# Altium PCB JammerCon_v1.1.PcbDoc (part 1 of 2)
Units mm, origin at the board's own origin, x right, y up, seen from the top; angles counter-clockwise.
Board outline 253.36 x 28.19 mm, 2 copper layers (Top Layer, Bottom Layer), stack 1.671 mm thick; 135 components, 65 nets, 440 pads, 735 vias.
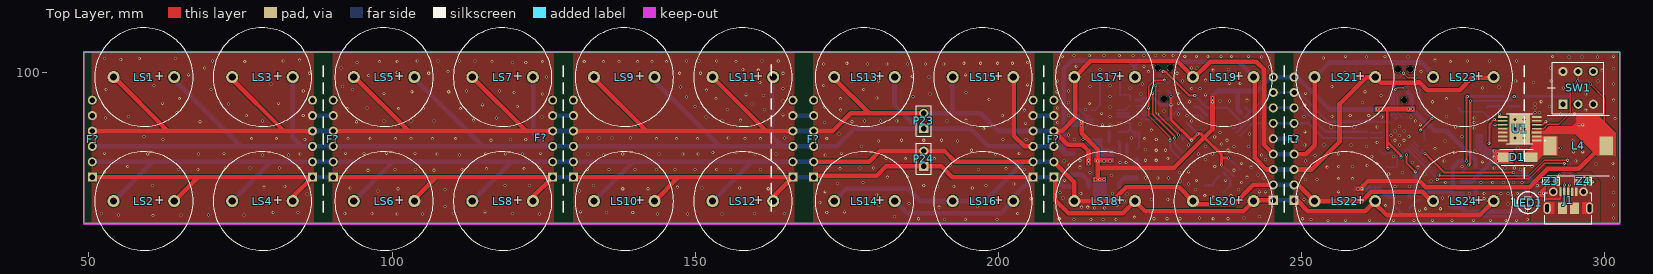
[diagram p0: Top Layer view]
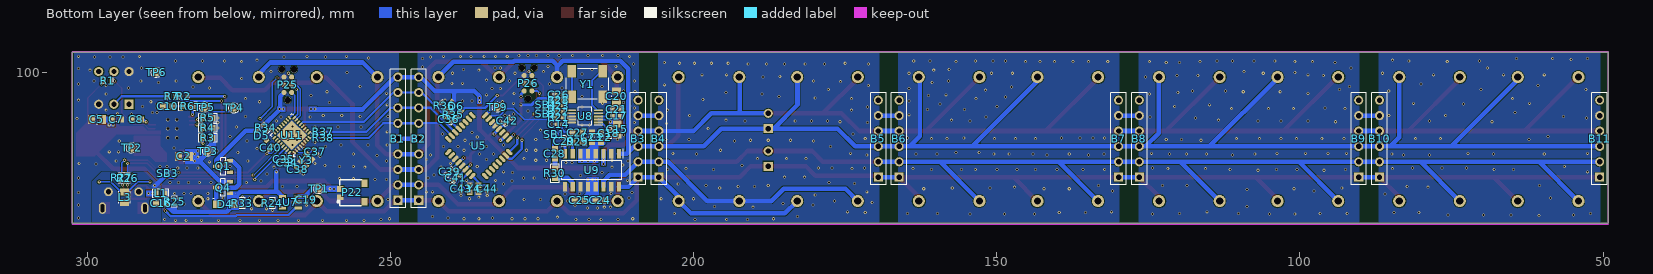
[diagram p1: Bottom Layer view, seen from below]
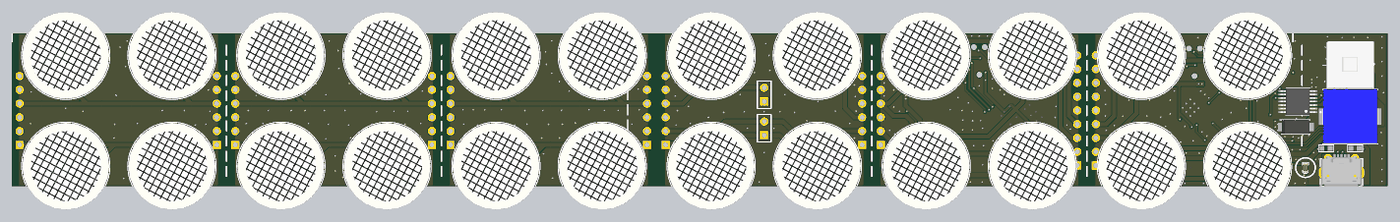
[diagram p3: 3D render of the assembled board from above, using the file's embedded part models]
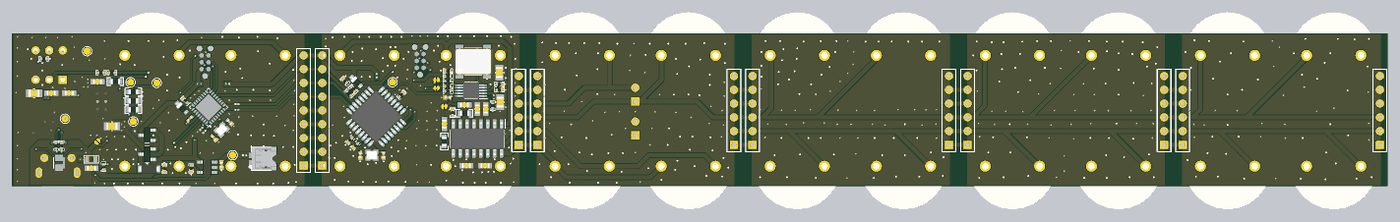
[diagram p4: 3D render of the assembled board from below, using the file's embedded part models]

## Layer stack, top to bottom
Top Solder: solder mask 0.0102, Solder Resist, Dk 3.5
Top Layer: signal copper 0.0356
Dielectric 1: dielectric 1.6, FR-4, Dk 4.8
Bottom Layer: signal copper 0.0356
Bottom Solder: solder mask 0.0102, Solder Resist, Dk 3.5

## Board outline
49.149,75.057 302.514,75.057 302.514,103.251 49.149,103.251

## Design rules (kind name [scope] priority, off if disabled: settings)
Clearance [All] p1: gap=0.152 ignorepadtopadclearanceinfootprint=TRUE except(0: Arc-Hole Track-Hole SMDPad-Hole THPad-Hole Via-Hole Fill-Hole Poly-Hole Region-Hole Text-Hole)
ComponentClearance [All] p1 off: gap=0.254 collisioncheckmode=3 verticalgap=0.254 showdistances=FALSE
MinimumSolderMaskSliver [All] p1 off: minsoldermaskwidth=0.254
PolygonConnect [All] p1: connectstyle=Direct reliefconductorwidth=0.254 reliefentries=4 polygonreliefangle="90 Angle" airgapwidth=0.254
RoutingVias [All] p1: holewidth=0.711 width=1.27 viastyle="Through Hole" minholewidth=0.711 minwidth=1.27 maxholewidth=0.711 maxwidth=1.27
SilkToBoardRegionClearance [All] p1 off:
SilkToSilkClearance [All] p1 off: silktosilkclearance=0.254
SilkToSolderMaskClearance [IsPad] p1 off: minsilkscreentomaskgap=0.254 clearancetoexposedcopper=TRUE
SolderMaskExpansion [IsVia] p1: expansion=0 soldermaskfromhole=TRUE
Width [All] p1: maxlimit=5.08 minlimit=0.152 preferedwidth=0.254 minimp=50.000000 maximp=50.000000 favimp=50.000000
25 further rules are at their usual default settings.

## Classes and differential pairs
component class JammerCon_v1.1: B1 B2 B3 B4 B5 B6 B7 B8 B9 B10 B11 C14 C15 C16 C17 C18 C19 C20 C21 C22 C23 C24 C25 C26 C27 C28 C29 C34 C35 C36 C37 C38 C39 C40 C41 C42 C43 C44 D4 D5 D6 J1 L1 L3 LED1 LS1 LS2 LS3 LS4 LS5 LS6 LS7 LS8 LS9 LS10 LS11 LS12 LS13 LS14 LS15 LS16 LS17 LS18 LS19 LS20 LS21 LS22 LS23 LS24 P22 P23 P24 P25 P26 Q1 Q4 R2 R7 R21 R22 R23 R24 R25 R26 R27 R28 R29 R30 R33 R34 R35 R36 R37 R38 SB1 SB2 SB3 SB4 SW1 TP9 U5 U7 U8 U9 U11 Y1 Y3 Y4 Z3 Z4
component class boost: C2 C5 C7 C8 C10 D1 L4 R1 R3 R4 R5 R6 TP1 TP2 TP3 TP4 TP5 TP6 U1

## Components (designator, comment, footprint, x,y, rotation, side; value= is the part's Value field where it differs from the comment)
B1 "Header 9" HDR1X9 248.793,78.867 r90 bottom
B2 "Header 9" HDR1X9 245.364,78.867 r90 bottom
B3 "Header 6" HDR1X6 209.169,82.677 r90 bottom
B4 "Header 6" HDR1X6 205.74,82.677 r90 bottom
B5 "Header 6" HDR1X6 169.545,82.677 r90 bottom
B6 "Header 6" HDR1X6 166.116,82.677 r90 bottom
B7 "Header 6" HDR1X6 129.921,82.677 r90 bottom
B8 "Header 6" HDR1X6 126.492,82.677 r90 bottom
B9 "Header 6" HDR1X6 90.297,82.677 r90 bottom
B10 "Header 6" HDR1X6 86.868,82.677 r90 bottom
B11 "Header 6" HDR1X6 50.546,82.677 r90 bottom
C2 "Cap Semi" C0805 284.099,86.106 r180 bottom value=22uF
C5 "Cap Semi" C0805 298.45,92.202 r180 bottom value=10uF
C7 "Cap Semi" C0603 295.275,92.202 r0 bottom value=100nF
C8 "Cap Semi" C0603 291.973,92.202 r180 bottom value=47nF
C10 "Cap Semi" C0603 286.766,94.361 r180 bottom value=33nF
C14 "Cap Semi" C0402 222.25,91.44 r180 bottom value=20pF
C15 "Cap Semi" C0805 212.598,90.551 r90 bottom value=10uF
C16 "Cap Semi" C0603 287.871,78.359 r180 bottom value=22uF
C17 "Cap Semi" R0402 212.725,92.837 r180 bottom value=100nF
C18 "Cap Semi" R0402 213.995,89.916 r90 bottom value=10nF
C19 "Cap Semi" C0402 263.906,78.994 r90 bottom value=10uF
C20 "Cap Semi" C0805 212.725,96.012 r270 bottom value=10uF
C21 "Cap Semi" R0402 212.725,93.853 r180 bottom value=100nF
C22 "Cap Semi" C0603 215.265,89.281 r90 bottom value=10uF
C23 "Cap Semi" C0603 216.789,89.281 r90 bottom value=1uF
C24 "Cap Semi" C0603 215.392,78.867 r180 bottom value=10uF
C25 "Cap Semi" C0603 218.821,78.867 r0 bottom value=1uF
C26 "Cap Semi" R0402 222.25,96.266 r0 bottom value=100nF
C27 "Cap Semi" C0603 219.164,90.043 r0 bottom value=220nF
C28 "Cap Semi" C0603 222.885,86.525 r90 bottom value=220nF
C29 "Cap Semi" R0402 221.361,88.646 r90 bottom value=1uF
C34 "Cap Semi" C0201 267.081,85.09 r135 bottom value=100nF
C35 "Cap Semi" C0201 267.655,85.659 r135 bottom value=100nF
C36 "Cap Semi" R0402 240.411,92.202 r45 bottom value=100nF
C37 "Cap Semi" C0402 262.409,86.895 r225 bottom value=22pF
C38 "Cap Semi" C0402 265.303,83.947 r225 bottom value=22pF
C39 "Cap Semi" R0402 240.284,83.566 r135 bottom value=100nF
C40 "Cap Semi" C0402 269.748,87.503 r135 bottom value=1uF
C41 "Cap Semi" R0402 239.268,82.55 r135 bottom value=100nF
C42 "Cap Semi" R0402 230.759,91.948 r315 bottom value=100nF
C43 "Cap Semi" C0402 238.379,80.772 r270 bottom value=22pF
C44 "Cap Semi" C0402 234.061,80.772 r270 bottom value=22pF
D1 "MBRA340T3G" MBRA340T3G 285.614,85.979 r0 top
D4 "MBR120VLSFT3G" SOD-123FL 277.241,78.232 r180 bottom
D5 "ZENER 5.6V" SOD-323 271.272,89.535 r225 bottom value="5.6V 200mW"
D6 "ZENER 5.6V" SOD-323 239.141,94.361 r225 bottom value="5.6V 200mW"
F? "Comment" BOARD_CELL 50.673,88.963 r0 top locked
F? "Comment" BOARD_CELL 248.793,88.963 r0 top locked
F? "Comment" BOARD_CELL 90.297,88.963 r0 top locked
F? "Comment" BOARD_CELL 124.587,89.154 r0 top
F? "Comment" BOARD_CELL 169.545,88.963 r0 top locked
F? "Comment" BOARD_CELL 209.169,88.963 r0 top locked
J1 "MICRO USB MK5P" 1050170001 294.045,80.264 r0 top
L1 "BMB2A0430RS2" L0603 287.909,80.01 r180 bottom
L3 "BLM21" *BEADC2012X87N 293.878,79.375 r90 bottom
L4 "" CDRH105RNP-220NC 295.656,87.884 r180 top value=22uH
LED1 "Value" LED-0402-RED 287.401,78.486 r270 top
LS1 "Speaker" ULTRASONICSENSOR 59.055,99.187 r180 top locked
LS2 "Speaker" ULTRASONICSENSOR 59.055,78.74 r180 top locked
LS3 "Speaker" ULTRASONICSENSOR 78.613,99.187 r180 top locked
LS4 "Speaker" ULTRASONICSENSOR 78.613,78.74 r180 top locked
LS5 "Speaker" ULTRASONICSENSOR 98.679,99.187 r180 top locked
LS6 "Speaker" ULTRASONICSENSOR 98.679,78.74 r180 top locked
LS7 "Speaker" ULTRASONICSENSOR 118.237,99.187 r180 top locked
LS8 "Speaker" ULTRASONICSENSOR 118.237,78.74 r180 top locked
LS9 "Speaker" ULTRASONICSENSOR 138.303,99.187 r180 top locked
LS10 "Speaker" ULTRASONICSENSOR 138.303,78.74 r180 top locked
LS11 "Speaker" ULTRASONICSENSOR 157.861,99.187 r180 top locked
LS12 "Speaker" ULTRASONICSENSOR 157.861,78.74 r180 top locked
LS13 "Speaker" ULTRASONICSENSOR 177.927,99.187 r180 top locked
LS14 "Speaker" ULTRASONICSENSOR 177.927,78.74 r180 top locked
LS15 "Speaker" ULTRASONICSENSOR 197.485,99.187 r180 top locked
LS16 "Speaker" ULTRASONICSENSOR 197.485,78.74 r180 top locked
LS17 "Speaker" ULTRASONICSENSOR 217.551,99.187 r180 top locked
LS18 "Speaker" ULTRASONICSENSOR 217.551,78.74 r180 top locked
LS19 "Speaker" ULTRASONICSENSOR 237.109,99.187 r180 top locked
LS20 "Speaker" ULTRASONICSENSOR 237.109,78.74 r180 top locked
LS21 "Speaker" ULTRASONICSENSOR 257.175,99.187 r180 top locked
LS22 "Speaker" ULTRASONICSENSOR 257.175,78.74 r180 top locked
LS23 "Speaker" ULTRASONICSENSOR 276.733,99.187 r180 top locked
LS24 "Speaker" ULTRASONICSENSOR 276.733,78.74 r180 top locked
P22 "SMT Battery connector" CONN_MOLEX_781710002 258.318,79.502 r0 bottom
P23 "CH1" HDR1X2 187.706,90.678 r90 top
P24 "CH2" HDR1X2 187.706,84.455 r90 top
P25 "Header 3X2" TC2030-MCP 267.589,99.187 r90 bottom
P26 "Header 3X2" TC2030-MCP 227.965,99.441 r90 bottom
Q1 "DMG2305UX-13" SOT23-3 277.615,84.455 r0 bottom
Q4 "" SOT23-3 277.622,80.965 r0 bottom
R1 "Res3" R0402 296.672,98.552 r180 bottom value=10k
R2 "Res3" R0402 284.099,96.012 r0 bottom value=100k
R3 "Res3" R0603 280.162,89.154 r0 bottom value=30k
R4 "Res3" R0603 280.162,90.805 r0 bottom value=143k
R5 "Res3" R0603 280.162,92.456 r180 bottom value=10k
R6 "Res3" R0603 283.464,94.361 r0 bottom value=3.09k
R7 "Res3" R0402 286.131,96.012 r0 bottom value=10k
R21 "Res0402" R0402 222.25,92.583 r180 bottom value=1k
R22 "Res0402" R0402 222.25,93.472 r180 bottom value=1k
R23 "Res0402" R0402 222.25,94.445 r180 bottom value=1k
R24 "Res0402" R0402 269.494,78.359 r270 bottom value=10k
R25 "Res0402" R0402 285.623,78.613 r270 bottom value=10k
R26 "Res0402" R0402 293.37,82.542 r270 bottom value=22R
R27 "Res0402" R0402 294.386,82.55 r270 bottom value=22R
R28 "Res0402" R0402 222.25,95.377 r180 bottom value=10
R29 "Res0402" R0603 219.164,88.519 r180 bottom value=10k
R30 "Res0402" R0603 222.885,83.312 r90 bottom value=10k
R33 "Res0402" R0402 274.447,78.359 r270 bottom value=100k
R34 "Res0402" R0402 270.637,90.805 r45 bottom value=10k
R35 "Res0402" R0402 239.649,92.964 r45 bottom value=10k
R36 "Res" R0402 241.173,94.488 r225 bottom value=1k
R37 "Res0201" R0201 261.112,90.17 r180 bottom value=10k
R38 "Res0201" R0201 261.112,89.154 r180 bottom value=10k
SB1 "Solderbridge" Solderbridge_Shorted 222.885,89.789 r180 bottom net-tie
SB2 "Solderbridge" Solderbridge_Shorted 224.307,93.142 r180 bottom net-tie
SB3 "Solderbridge" Solderbridge_Shorted 286.766,83.312 r135 bottom net-tie
SB4 "Solderbridge" Solderbridge_Shorted 224.307,94.666 r180 bottom net-tie
SW1 "TL2201EEZB" TL2201EEZB 295.656,97.409 r0 top
TP1 "TESTPOINT" TP-R60 261.874,80.772 r180 bottom
TP2 "TESTPOINT" TP-R60 292.735,87.503 r90 bottom
TP3 "TESTPOINT" TP-R60 280.162,86.995 r90 bottom
TP4 "TESTPOINT" TP-R60 275.844,94.107 r90 bottom
TP5 "TESTPOINT" TP-R60 280.67,94.234 r90 bottom
TP6 "TESTPOINT" TP-R60 288.671,99.949 r90 bottom
TP9 "TESTPOINT" TP-R60 232.41,94.234 r90 bottom
U1 "TPS61175PWPR" TPS61175PWPR 286.004,90.678 r180 top
U5 "ATMEGA328P-A" ATMEGA328P 235.458,87.884 r135 bottom
U7 "MCP73831T-2ACI/OT" SOT23-5 266.543,78.547 r90 bottom
U8 "AD9833BRMZ-REEL7" SOP50P490X110-10N 217.932,92.71 r0 bottom
U9 "PAM8403DR" SOIC127P605X175-16N 216.789,83.82 r270 bottom
U11 "ATMEGA16U2-MU" *QFN50P500X500X100-33N 266.294,89.609 r45 bottom
Y1 "25MHz" OSC_ECS-3951M-250-BN-TR 217.551,98.044 r180 bottom
Y3 "16MHz" BT-XTAL_2016_N 263.906,85.471 r315 bottom
Y4 "16MHz" BT-XTAL_2016_N 236.22,80.772 r180 bottom
Z3 "VARISTOR_0603" *R0603 291.211,82.042 r90 top
Z4 "VARISTOR_0603" *R0603 296.545,82.042 r270 top

## Footprints (in the part's own frame and the unit in brackets; to place one, negate y for a bottom-side part, rotate by r counter-clockwise, add the part's x,y. Pads: shape width x height; smd on the part's side, far side on the other; paste and mask are expansions set on the pad)
1050170001 [mm] "USB - micro B Receptacle Connector 5 Position Board Cutout, Surface Mount, Right Angle"
  rect 0.4x1.35 smd: 1(-1.3,0) 2(-0.65,0) 3(0,0) 4(0.65,0) 5(1.3,0)
  oval 1.2x1.9 hole 0.6 slot 1.3 at 90 deg: MT(-3.5,-2.7) MT(3.5,-2.7)
  round 1.45 hole 0.85: MT(-2.5,0) MT(2.5,0)
  rect 1.5x1.9 smd: MT(-1,-2.7) MT(1,-2.7)
  Top Layer region: -2.3,-1.75 -3.5,-1.75 -3.8,-1.83 -4.02,-2.05 -4.1,-2.35 -4.1,-2.35 -4.1,-3.04 -4.054,-3.273 -3.921,-3.471 -3.723,-3.604 -3.49,-3.65 -3.49,-3.65 -2.3,-3.65
  Top Layer region: 2.3,-3.65 3.5,-3.65 3.8,-3.57 4.02,-3.35 4.1,-3.05 4.1,-3.05 4.1,-2.36 4.054,-2.127 3.921,-1.929 3.723,-1.796 3.49,-1.75 3.49,-1.75 2.3,-1.75
  silkscreen extent -3.92,-5.25 3.88,-0.15, body extent -4.12,-5.25 4.08,0.15, height 2.68
*BEADC2012X87N [mm]
  rect 1.14x1.47 smd: 1(-0.89,0) 2(0.89,0)
  silkscreen extent -1,-0.95 1,0.95
*QFN50P500X500X100-33N [mm]
  oval 0.7x0.3 smd: 1(-2.3,1.75) 2(-2.3,1.25) 3(-2.3,0.75) 4(-2.3,0.25) 5(-2.3,-0.25) 6(-2.3,-0.75) 7(-2.3,-1.25) 8(-2.3,-1.75) 17(2.3,-1.75) 18(2.3,-1.25) 19(2.3,-0.75) 20(2.3,-0.25) 21(2.3,0.25) 22(2.3,0.75) 23(2.3,1.25) 24(2.3,1.75)
  oval 0.3x0.7 smd: 9(-1.75,-2.3) 10(-1.25,-2.3) 11(-0.75,-2.3) 12(-0.25,-2.3) 13(0.25,-2.3) 14(0.75,-2.3) 15(1.25,-2.3) 16(1.75,-2.3) 25(1.75,2.3) 26(1.25,2.3) 27(0.75,2.3) 28(0.25,2.3) 29(-0.25,2.3) 30(-0.75,2.3) 31(-1.25,2.3) 32(-1.75,2.3)
  rect 3.5x3.5 smd: 33(0,0)
  silkscreen extent -2.88,-2.5 2.5,2.5
*R0603 [mil]
  rect 35x35 smd: 1(0,30) 2(0,-30)
  silkscreen extent -25,-55 25,55
ATMEGA328P [mil]
  oval 50x22 smd: 1(-169,110.24) 2(-169,78.74) 3(-169,47.24) 4(-169,15.75) 5(-169,-15.75) 6(-169,-47.24) 7(-169,-78.74) 8(-169,-110.24) 17(169,-110.24) 18(169,-78.74) 19(169,-47.24) 20(169,-15.75) 21(169,15.75) 22(169,47.24) 23(169,78.74) 24(169,110.24)
  oval 22x50 smd: 9(-110.24,-169) 10(-78.74,-169) 11(-47.24,-169) 12(-15.75,-169) 13(15.75,-169) 14(47.24,-169) 15(78.74,-169) 16(110.24,-169) 25(110.24,169) 26(78.74,169) 27(47.24,169) 28(15.75,169) 29(-15.75,169) 30(-47.24,169) 31(-78.74,169) 32(-110.24,169)
  body extent -177,-177 177,177, height 47
BOARD_CELL [mm]
  silkscreen extent 37.97,-12.06 37.97,12.06
BT-XTAL_2016_N [mm] "BT-XTAL_2016_N"
  rect 0.95x0.85 smd: 1(-0.725,-0.575) 2(0.725,-0.575) 3(0.725,0.575) 4(-0.725,0.575)
  body extent -1,-0.8 1,0.8, height 0.7
C0201 [mm]
  rect 0.4x0.4 smd: 1(-0.266,0) 2(0.266,0)
  body extent -0.3,-0.16 0.3,0.17, height 0.15
C0402 [mm]
  rect 0.5x0.6 smd mask+0.1: 1(-0.5,0) 2(0.5,0)
  body extent -0.5,-0.25 0.5,0.25, height 0.47
C0603 [mm] "0603_095"
  rect 1x1 smd: 1(-0.8,0) 2(0.8,0)
  silkscreen extent -0.08,-0.41 0.08,0.41, body extent -0.93,-0.41 0.93,0.41, height 0.81
C0805 [mm] "0805 / 1.45mm height"
  rect 1.15x1.45 smd: 1(-0.9,0) 2(0.9,0)
  silkscreen extent -0.1,-0.8 0.1,0.8, body extent -1.09,-0.64 1.09,0.64, height 1.26
CDRH105RNP-220NC [mm] "FIXED IND 22UH 2.9A 61 MOHM SMD"
  rect 2.2x3.05 smd: 1(-4.65,0) 2(4.65,0)
  silkscreen extent -5.1,-5 5.1,5, body extent -5.1,-5 5.1,5, height 5.1
CONN_MOLEX_781710002 [mil] "Pico-EZmate Wire-to-Board Header, Vertical, Housing Height 1.55mm, with Side Friction Locks, 2 Circuits"
  rect 40x50 smd mask+2: 0(-158,-86) 0(-158,34)
  rect 43.31x38 smd mask+2: 1(0,5) 2(0,-48.31)
  silkscreen extent -139,-107 18,59, body extent -175,-107 3,58, height 57
HDR1X2 [mm] "Connector; Header; 2 Position"
  rect 1.5x1.5 hole 0.9: 1(0,0)
  round 1.5 hole 0.9: 2(2.54,0)
  silkscreen extent -1.27,-1.27 3.81,1.27
HDR1X6 [mm] "Connector; Header; 6 Position"
  rect 1.5x1.5 hole 0.9: 1(0,0)
  round 1.5 hole 0.9: 2(2.54,0) 3(5.08,0) 4(7.62,0) 5(10.16,0) 6(12.7,0)
  silkscreen extent -1.27,-1.27 13.97,1.27
HDR1X9 [mm] "Connector; Header; 9 Position"
  rect 1.5x1.5 hole 0.9: 1(0,0)
  round 1.5 hole 0.9: 2(2.54,0) 3(5.08,0) 4(7.62,0) 5(10.16,0) 6(12.7,0) 7(15.24,0) 8(17.78,0) 9(20.32,0)
  silkscreen extent -1.27,-1.27 21.59,1.27
L0603 [mm]
  rect 0.7x0.9 smd paste-0.013 mask+0.051: 1(-0.762,0) 2(0.762,0)
  silkscreen extent -1.35,-0.7 1.35,0.7, body extent -0.8,-0.4 0.8,0.4, height 1.1
LED-0402-RED [mm]
  round 0.254 on Mech15: 0(0,0)
  rect 0.5x0.6 smd mask+0.1: A(-0.5,0) C(0.5,0)
  silkscreen extent -0.97,-0.53 1.12,0.56, body extent -0.8,-0.4 0.8,0.4, height 0.75
MBRA340T3G [mm] "DIODE SCHOTTKY 40V 3A SMA"
  rect 2.3x1.55 smd: 1(-2.15,0) 2(2.15,0)
  silkscreen extent -2.93,-1.3 2.61,1.3, body extent -2.61,-1.3 2.61,1.3, height 2.2
OSC_ECS-3951M-250-BN-TR [mm]
  rect 1.4x2 smd: 1(-2.54,-2.1) 2(2.54,-2.1) 3(2.54,2.1) 4(-2.54,2.1)
  silkscreen extent -4.08,-2.5 3.5,2.5, body extent -3.5,-2.5 3.5,2.5, height 1.7
R0201 [mil]
  rect 16x13 smd: 1(-12.5,0) 2(12.5,0)
  body extent -13,-6 13,6, height 10
R0402 [mm]
  rect 0.5x0.6 smd mask+0.1: 1(-0.5,0) 2(0.5,0)
  silkscreen extent -0.9,-0.45 0.9,0.45, body extent -0.5,-0.25 0.5,0.26, height 0.33
R0603 [mm] "0603 from SM-752 data"
  rect 1x0.95 smd: 1(-0.8,0) 2(0.8,0)
  silkscreen extent -1.52,-0.69 1.52,0.69, body extent -0.87,-0.47 0.88,0.48, height 0.54
SOD-123FL [mm] "SODFL, 2-Leads, Body 1.65x3.60mm, IPC Medium Density"
  rect 1.25x1.22 smd: 1(-1.475,0) 2(1.475,0)
  silkscreen extent -2.05,0.86 -1.95,0.96, body extent -1.8,-0.9 1.8,0.9, height 0.98
SOD-323 [mm] "SOD-323"
  rect 0.63x0.83 smd: 1(1.15,0) 2(-1.15,0)
  body extent -1.3,-0.68 1.3,0.67, height 1.1
SOIC127P605X175-16N [mm]
  rect 1.575x0.7 smd: 1(-2.738,4.445) 2(-2.738,3.175) 3(-2.738,1.905) 4(-2.738,0.635) 5(-2.738,-0.635) 6(-2.738,-1.905) 7(-2.738,-3.175) 8(-2.738,-4.445) 9(2.738,-4.445) 10(2.738,-3.175) 11(2.738,-1.905) 12(2.738,-0.635) 13(2.738,0.635) 14(2.738,1.905) 15(2.738,3.175) 16(2.738,4.445)
  silkscreen extent -3.52,-4.95 1.6,5.15, body extent -3.02,-4.95 3.03,4.95, height 1.75
Solderbridge_Shorted [mm]
  round 0.2 smd paste-10: 1(-0.338,0) 2(0.338,0)
  Top Layer region: 0.102,0.432 0.178,0.505 0.296,0.467 0.361,0.424 0.434,0.351 0.488,0.292 0.546,0.193 0.574,0.099 0.569,-0.122 0.544,-0.193 0.46,-0.33 0.376,-0.411 0.284,-0.469 0.183,-0.5 0.132,-0.483 0.102,-0.43
  Top Layer region: -0.102,-0.432 -0.178,-0.505 -0.296,-0.467 -0.361,-0.424 -0.434,-0.351 -0.488,-0.292 -0.546,-0.193 -0.574,-0.099 -0.569,0.122 -0.544,0.193 -0.46,0.33 -0.376,0.411 -0.284,0.469 -0.183,0.5 -0.132,0.483 -0.102,0.43
  Top Layer lines w0.152: 0.178,-0.431 ccw(c0.068,0) 0.178,0.431 ; -0.178,-0.431 cw(c-0.068,0) -0.338,-0.353 cw(c-0.068,0) -0.178,0.431
  Top Layer lines w0.203: 0.338,0 -0.338,0
SOP50P490X110-10N [mm]
  rect 1.45x0.3 smd: 1(-2.225,1) 2(-2.225,0.5) 3(-2.225,0) 4(-2.225,-0.5) 5(-2.225,-1) 6(2.225,-1) 7(2.225,-0.5) 8(2.225,0) 9(2.225,0.5) 10(2.225,1)
  silkscreen extent -2.95,-1.5 1.15,1.5, body extent -2.45,-1.5 2.45,1.5, height 1.1
SOT23-3 [mm] "SOT23, 3 pin"
  round 0.5 on Mech15: 0(0,0)
  rrect25% 1x0.6 smd: 1(-1.15,0.95) 2(-1.15,-0.95) 3(1.15,0)
  silkscreen extent -0.38,-1.45 0.38,1.45, body extent -1.4,-1.45 1.4,1.45, height 1.29
SOT23-5 [mm] "SOT23-5"
  rect 0.55x1.2 smd: 1(-0.95,-1.3) 2(0,-1.3) 3(0.95,-1.3) 4(0.95,1.3) 5(-0.95,1.3)
  body extent -1.52,-1.5 1.52,1.5, height 1.45
TC2030-MCP [mil]
  round 33 smd: 1(-100,-50) 2(-100,0) 3(-50,-50) 4(-50,0) 5(0,-50) 6(0,0)
  round 43 hole 43: 7(-150,-25) 8(50,15) 9(50,-65)
TL2201EEZB [mm]
  rect 1.508x1.508 hole 0.85: 1(-2.5,-2.7)
  round 1.508 hole 0.85: 2(0,-2.7) 3(2.5,-2.7) 4(-2.5,2.7) 5(0,2.7) 6(2.5,2.7)
  silkscreen extent -5.08,-4.25 4.25,4.25, body extent -4.25,-4.12 4.55,4.38, height 15
TP-R60 [mm]
  round 1.27 smd paste-1.27: 1(0,0)
  silkscreen extent -0.86,-0.86 0.86,0.86, body extent -0.76,-0.76 0.76,0.76, height 0.25
TPS61175PWPR [mm] "IC REG MULTI CONFG ADJ 14HTSSOP"
  rect 1.6x0.3 smd paste-2: 1(-2.8,1.95) 2(-2.8,1.3) 3(-2.8,0.65) 4(-2.8,0) 5(-2.8,-0.65) 6(-2.8,-1.3) 7(-2.8,-1.95) 8(2.8,-1.95) 9(2.8,-1.3) 10(2.8,-0.65) 11(2.8,0) 12(2.8,0.65) 13(2.8,1.3) 14(2.8,1.95)
  rect 3.4x5 smd paste-3 mask+0: 15(0,0)
  silkscreen extent -4.3,-2.5 2.2,2.5, body extent -3.2,-2.5 3.2,2.5, height 1.2
ULTRASONICSENSOR [mm]
  round 2 hole 1.2: 1(-5,0) 2(5,0)
  silkscreen extent -8.13,-8.13 8.12,8.13, body extent -8,-8 8,8, height 13.64

## Part data
B1 B2: "Header, 9-Pin", LatestRevisionDate=17-Jul-2002, LatestRevisionNote="Re-released for DXP Platform.", Publisher="Altium Limited"
B3 B4 B5 B6 B7 B8 B9 B10 B11: "Header, 6-Pin", LatestRevisionDate=17-Jul-2002, LatestRevisionNote="Re-released for DXP Platform.", Publisher="Altium Limited"
C2: library part "Cap Semi_1", "Capacitor"
C5: library part "Cap Semi_1", "Capacitor", Case/Package=0805, Dielectric=X5R, Manufacturer=Murata, Manufacturer Part Number=GRM21BR61E106KA73K, Max Operating Temperature=85°C, Min Operating Temperature=-55°C, Package Quantity=10000, Supplier Part Number 1=490-16824-1-ND, Tolerance=10%, Voltage Rating=25V, ComponentLink1Description=http://www.mouser.com/ds/2/281/c02e-2905.pdf?src-supplier=Mouser, ComponentLink1URL=http://www.mouser.com/ds/2/281/c02e-2905.pdf?src-supplier=Mouser, ComponentLink2Description=http://search.murata.co.jp/Ceramy/image/img/A01X/G101/ENG/GRM21BR61E106KA73-01.pdf?src-supplier=Digi-Key, ComponentLink2URL=http://search.murata.co.jp/Ceramy/image/img/A01X/G101/ENG/GRM21BR61E106KA73-01.pdf?src-supplier=Digi-Key, ComponentLink3Description=https://search.murata.co.jp/Ceramy/image/img/A01X/G101/ENG/GRM21BR61E106KA73-01.pdf?src-supplier=Digi-Key, ComponentLink3URL=https://search.murata.co.jp/Ceramy/image/img/A01X/G101/ENG/GRM21BR61E106KA73-01.pdf?src-supplier=Digi-Key, Length=0.079inch, Mount="Surface Mount", Packaging="Tape and Reel", Pricing 1="1=0.25, 10=0.172, 50=0.1034, 100=0.0874, 500=0.0598, 1000=0.0529, 2500=0.0506, 5000=0.046 (USD)", Stock 1=55460, Supplier 1=Digi-Key, Thickness=0.055inch, Voltage Rating (DC)=25V, Weight=0.000335oz, Width=0.049inch
C7: library part "Cap Semi_1", "Capacitor", Case/Package=0603, Case Code (Metric)=1608, Dielectric=X7R, Manufacturer=Yageo, Manufacturer Part Number=CC0603KRX7R8BB104, Max Operating Temperature=125°C, Min Operating Temperature=-55°C, Package Quantity=1, Supplier Part Number 1=311-1341-1-ND, Tolerance=10%, Voltage=25V, Case Code (Imperial)=0603, ComponentLink1Description=http://www.yageo.com/documents/recent/UPY-GPHC_X7R_6.3V-to-50V_8.pdf?src-supplier=Avnet+Europe, ComponentLink1URL=http://www.yageo.com/documents/recent/UPY-GPHC_X7R_6.3V-to-50V_8.pdf?src-supplier=Avnet+Europe, ComponentLink2Description=https://www.verical.com/server-webapp/html/getDatasheet?partID=403577&src-supplier=Verical, ComponentLink2URL=https://www.verical.com/server-webapp/html/getDatasheet?partID=403577&src-supplier=Verical, ComponentLink3Description=http://www.yageo.com/documents/recent/UPY-GPHC_X7R_6.3V-to-50V_8.pdf?src-supplier=Avnet, ComponentLink3URL=http://www.yageo.com/documents/recent/UPY-GPHC_X7R_6.3V-to-50V_8.pdf?src-supplier=Avnet, ComponentLink4Description=http://www.mouser.com/ds/2/447/Yageo_UPY-GP_NP0_16V-to-50V_9-358835.pdf?src-supplier=Mouser, ComponentLink4URL=http://www.mouser.com/ds/2/447/Yageo_UPY-GP_NP0_16V-to-50V_9-358835.pdf?src-supplier=Mouser, ComponentLink5Description=https://4donline.ihs.com/images/VipMasterIC/IC/YAGO/YAGO-S-A0003557223/YAGO-S-A0003557223-1.pdf?hkey=6D3A4C79FDBF58556ACFDE234799DDF0&src-supplier=Element14, ComponentLink5URL=https://4donline.ihs.com/images/VipMasterIC/IC/YAGO/YAGO-S-A0003557223/YAGO-S-A0003557223-1.pdf?hkey=6D3A4C79FDBF58556ACFDE234799DDF0&src-supplier=Element14, ComponentLink6Description=http://www.yageo.com/documents/recent/UPY-GPHC_X7R_6.3V-to-50V_18.pdf?src-supplier=Digi-Key, ComponentLink6URL=http://www.yageo.com/documents/recent/UPY-GPHC_X7R_6.3V-to-50V_18.pdf?src-supplier=Digi-Key, ComponentLink7Description=http://www.farnell.com/datasheets/1489800.pdf?src-supplier=Element14, ComponentLink7URL=http://www.farnell.com/datasheets/1489800.pdf?src-supplier=Element14, Composition=Ceramic, Depth=0.8mm, Halogen Free="Halogen Free", Height=0.8mm, Lead Free="Lead Free", Length=1.6mm, Mount="Surface Mount", Number of Pins=2, Packaging="Tape and Reel", Pricing 1="1=0.1, 10=0.05, 50=0.0274, 100=0.0224, 500=0.016, 1000=0.0126 (USD)", Radiation Hardening=No, REACH SVHC=Unknown, Stock 1=11551656, Supplier 1=Digi-Key, Termination=SMD/SMT, Thickness=0.035inch, Voltage Rating=25V, Voltage Rating (DC)=25V, Width=0.8mm
C8: library part "Cap Semi_1", "Capacitor", Case/Package=0603, Case Code (Metric)=1608, Dielectric=X7R, Dielectric Material=Ceramic, Manufacturer=KEMET, Manufacturer Part Number=C0603C473J3RACTU, Max Operating Temperature=125°C, Min Operating Temperature=-55°C, Package Quantity=1, Supplier Part Number 1=399-7929-1-ND, Tolerance=5%, Voltage Rating=25V, Case Code (Imperial)=0603, ComponentLink1Description=http://www.mouser.com/ds/2/212/KEM_C1002_X7R_SMD-1102033.pdf?src-supplier=Mouser, ComponentLink1URL=http://www.mouser.com/ds/2/212/KEM_C1002_X7R_SMD-1102033.pdf?src-supplier=Mouser, ComponentLink2Description=http://capacitoredge.kemet.com/capedge2/DataSheet?pn=C0603C473J3RAC7867&src-supplier=Avnet, ComponentLink2URL=http://capacitoredge.kemet.com/capedge2/DataSheet?pn=C0603C473J3RAC7867&src-supplier=Avnet, ComponentLink3Description=http://www.farnell.com/datasheets/2745905.pdf?src-supplier=Newark, ComponentLink3URL=http://www.farnell.com/datasheets/2745905.pdf?src-supplier=Newark, ComponentLink4Description=https://api.kemet.com/component-edge/download/datasheet/C0603C473J3RACTU.pdf?src-supplier=Digi-Key, ComponentLink4URL=https://api.kemet.com/component-edge/download/datasheet/C0603C473J3RACTU.pdf?src-supplier=Digi-Key, ComponentLink5Description=http://www.farnell.com/datasheets/2745905.pdf?src-supplier=Farnell, ComponentLink5URL=http://www.farnell.com/datasheets/2745905.pdf?src-supplier=Farnell, ComponentLink6Description=http://www.farnell.com/datasheets/2112169.pdf?src-supplier=Element14, ComponentLink6URL=http://www.farnell.com/datasheets/2112169.pdf?src-supplier=Element14, ComponentLink7Description=https://search.kemet.com/component-edge/download/datasheet/C0603C473J3RACTU.pdf?src-supplier=Digi-Key, ComponentLink7URL=https://search.kemet.com/component-edge/download/datasheet/C0603C473J3RACTU.pdf?src-supplier=Digi-Key, ComponentLink8Description=http://components.arrow.com/part/dataview/2627846S4295859N7429?src-supplier=Arrow+Electronics, ComponentLink8URL=http://components.arrow.com/part/dataview/2627846S4295859N7429?src-supplier=Arrow+Electronics, Depth=0.8mm, Dissipation Factor=3.5%, Height=0.8mm, Lead Pitch=0.7mm, Length=1.6mm, Mount="Surface Mount", Packaging="Tape and Reel", Pricing 1="1=0.14, 10=0.098, 50=0.056, 100=0.0463, 500=0.0325, 1000=0.0269 (USD)", Radiation Hardening=No, REACH SVHC="No SVHC", Stock 1=73434, Supplier 1=Digi-Key, Termination=SMD/SMT, Thickness=0.034inch, Voltage Rating (DC)=25V, Width=0.8mm
C10: library part "Cap Semi_1", "Capacitor", Case/Package=0603, Case Code (Metric)=1608, Dielectric=X7R, Dielectric Material=Ceramic, Manufacturer=KEMET, Manufacturer Part Number=C0603C333K3RACTU, Max Operating Temperature=125°C, Min Operating Temperature=-55°C, Package Quantity=1, Supplier Part Number 1=399-7904-1-ND, Tolerance=10%, Voltage Rating=25V, Case Code (Imperial)=0603, ComponentLink1Description=http://www.mouser.com/ds/2/212/KEM_C1002_X7R_SMD-1102033.pdf?src-supplier=Mouser, ComponentLink1URL=http://www.mouser.com/ds/2/212/KEM_C1002_X7R_SMD-1102033.pdf?src-supplier=Mouser, ComponentLink2Description=https://www.verical.com/server-webapp/html/getDatasheet?partID=72507&src-supplier=Verical, ComponentLink2URL=https://www.verical.com/server-webapp/html/getDatasheet?partID=72507&src-supplier=Verical, ComponentLink3Description=http://www.farnell.com/datasheets/2740666.pdf?src-supplier=Element14, ComponentLink3URL=http://www.farnell.com/datasheets/2740666.pdf?src-supplier=Element14, ComponentLink4Description=http://www.farnell.com/datasheets/1851736.pdf?src-supplier=Element14, ComponentLink4URL=http://www.farnell.com/datasheets/1851736.pdf?src-supplier=Element14, ComponentLink5Description=https://www.verical.com/server-webapp/html/getDatasheet?partID=385538&src-supplier=Verical, ComponentLink5URL=https://www.verical.com/server-webapp/html/getDatasheet?partID=385538&src-supplier=Verical, Depth=0.8mm, Dissipation Factor=3.5%, Height=0.8mm, Lead Pitch=0.7mm, Length=1.6mm, Mount="Surface Mount", Packaging="Tape and Reel", Pricing 1="1=0.1, 10=0.067, 50=0.0364, 100=0.0296, 500=0.0212, 1000=0.0166 (USD)", Radiation Hardening=No, REACH SVHC="No SVHC", Stock 1=315627, Supplier 1=Digi-Key, Termination=SMD/SMT, Thickness=0.034inch, Voltage Rating (DC)=25V, Width=0.031inch
C14 C15 C16 C17 C18 C19 C20 C21 C22 C23 C24 C25 C26 C27 C28 C29 C34 C35 C36 C37 C38 C39 C40 C41 C42 C43 C44: "Capacitor (Semiconductor SIM Model)"
D1: "Diode", Average Rectified Current=3A, Case/Package=SMA, Forward Voltage=450mV, Manufacturer="ON Semiconductor", Max Forward Surge Current (Ifsm)=100A, Max Operating Temperature=150°C, Max Repetitive Reverse Voltage (Vrrm)=40V, Min Operating Temperature=-55°C, Mouser Part Number=863-MBRA340T3G, Package Quantity=1, Peak Reverse Current=300uA, Supplier Part Number 1=MBRA340T3GOSCT-ND, Arrow Part Number=MBRA340T3G, Arrow Price/Stock=https://www.arrow.com/en/products/mbra340t3g/on-semiconductor, ComponentLink1Description=http://www.farnell.com/datasheets/1750836.pdf?src-supplier=Farnell, ComponentLink1URL=http://www.farnell.com/datasheets/1750836.pdf?src-supplier=Farnell, ComponentLink2Description=http://www.onsemi.cn/pub_link/Collateral/MBRA340T3-D.PDF?src-supplier=Avnet, ComponentLink2URL=http://www.onsemi.cn/pub_link/Collateral/MBRA340T3-D.PDF?src-supplier=Avnet, ComponentLink3Description=http://www.onsemi.com/pub/Collateral/MBRA340T3-D.PDF?src-supplier=Digi-Key, ComponentLink3URL=http://www.onsemi.com/pub/Collateral/MBRA340T3-D.PDF?src-supplier=Digi-Key, ComponentLink4Description=http://www.farnell.com/datasheets/1750836.pdf?src-supplier=Element14, ComponentLink4URL=http://www.farnell.com/datasheets/1750836.pdf?src-supplier=Element14, ComponentLink5Description=https://www.alliedelec.com/m/d/ea03cb33894de4ce312ef3cdec18c26f.pdf?src-supplier=Allied+Electronics, ComponentLink5URL=https://www.alliedelec.com/m/d/ea03cb33894de4ce312ef3cdec18c26f.pdf?src-supplier=Allied+Electronics, ComponentLink6Description=http://www.onsemi.com/pub/Collateral/MBRA340T3-D.PDF?src-supplier=Future+Electronics, ComponentLink6URL=http://www.onsemi.com/pub/Collateral/MBRA340T3-D.PDF?src-supplier=Future+Electronics, Current Rating=3A, Datasheet Link=http://www.onsemi.com/pub/Collateral/MBRA340T3-D.PDF, Element Configuration=Single, Forward Current=3A, Halogen Free="Halogen Free", Height=2.2mm, Lead Free="Lead Free", Length=4.32mm, Manufacturer_Name="ON Semiconductor", Manufacturer_Part_Number=MBRA340T3G, Manufacturer Part Number=MBRA340T3G, Max Reverse Voltage (DC)=40V, Mouser Price/Stock=https://www.mouser.co.uk/ProductDetail/ON-Semiconductor/MBRA340T3G?qs=3JMERSakebq0pjb145uRLw%3D%3D, Number of Pins=2, Output Current=3A, Packaging="Tape and Reel", Peak Non-Repetitive Surge Current=100A, Polarity=Standard, Pricing 1="1=0.46, 10=0.344, 100=0.24, 500=0.152, 1000=0.1184 (USD)", Radiation Hardening=No, REACH SVHC="No SVHC", Stock 1=94537, Supplier 1=Digi-Key, Voltage Rating (DC)=40V, Width=2.6mm